# Altium PCB RTM_SFP.PcbDoc (part 9 of 17)
Units mil, origin at the board's own origin, x right, y up, seen from the top; angles counter-clockwise.
Board outline 7185 x 5846.5 mil, 4 copper layers (Top Layer, MidPlane_1, MidPlane_2, Bottom Layer), stack 63.553 mil thick; 389 components, 333 nets, 1578 pads, 1486 vias.
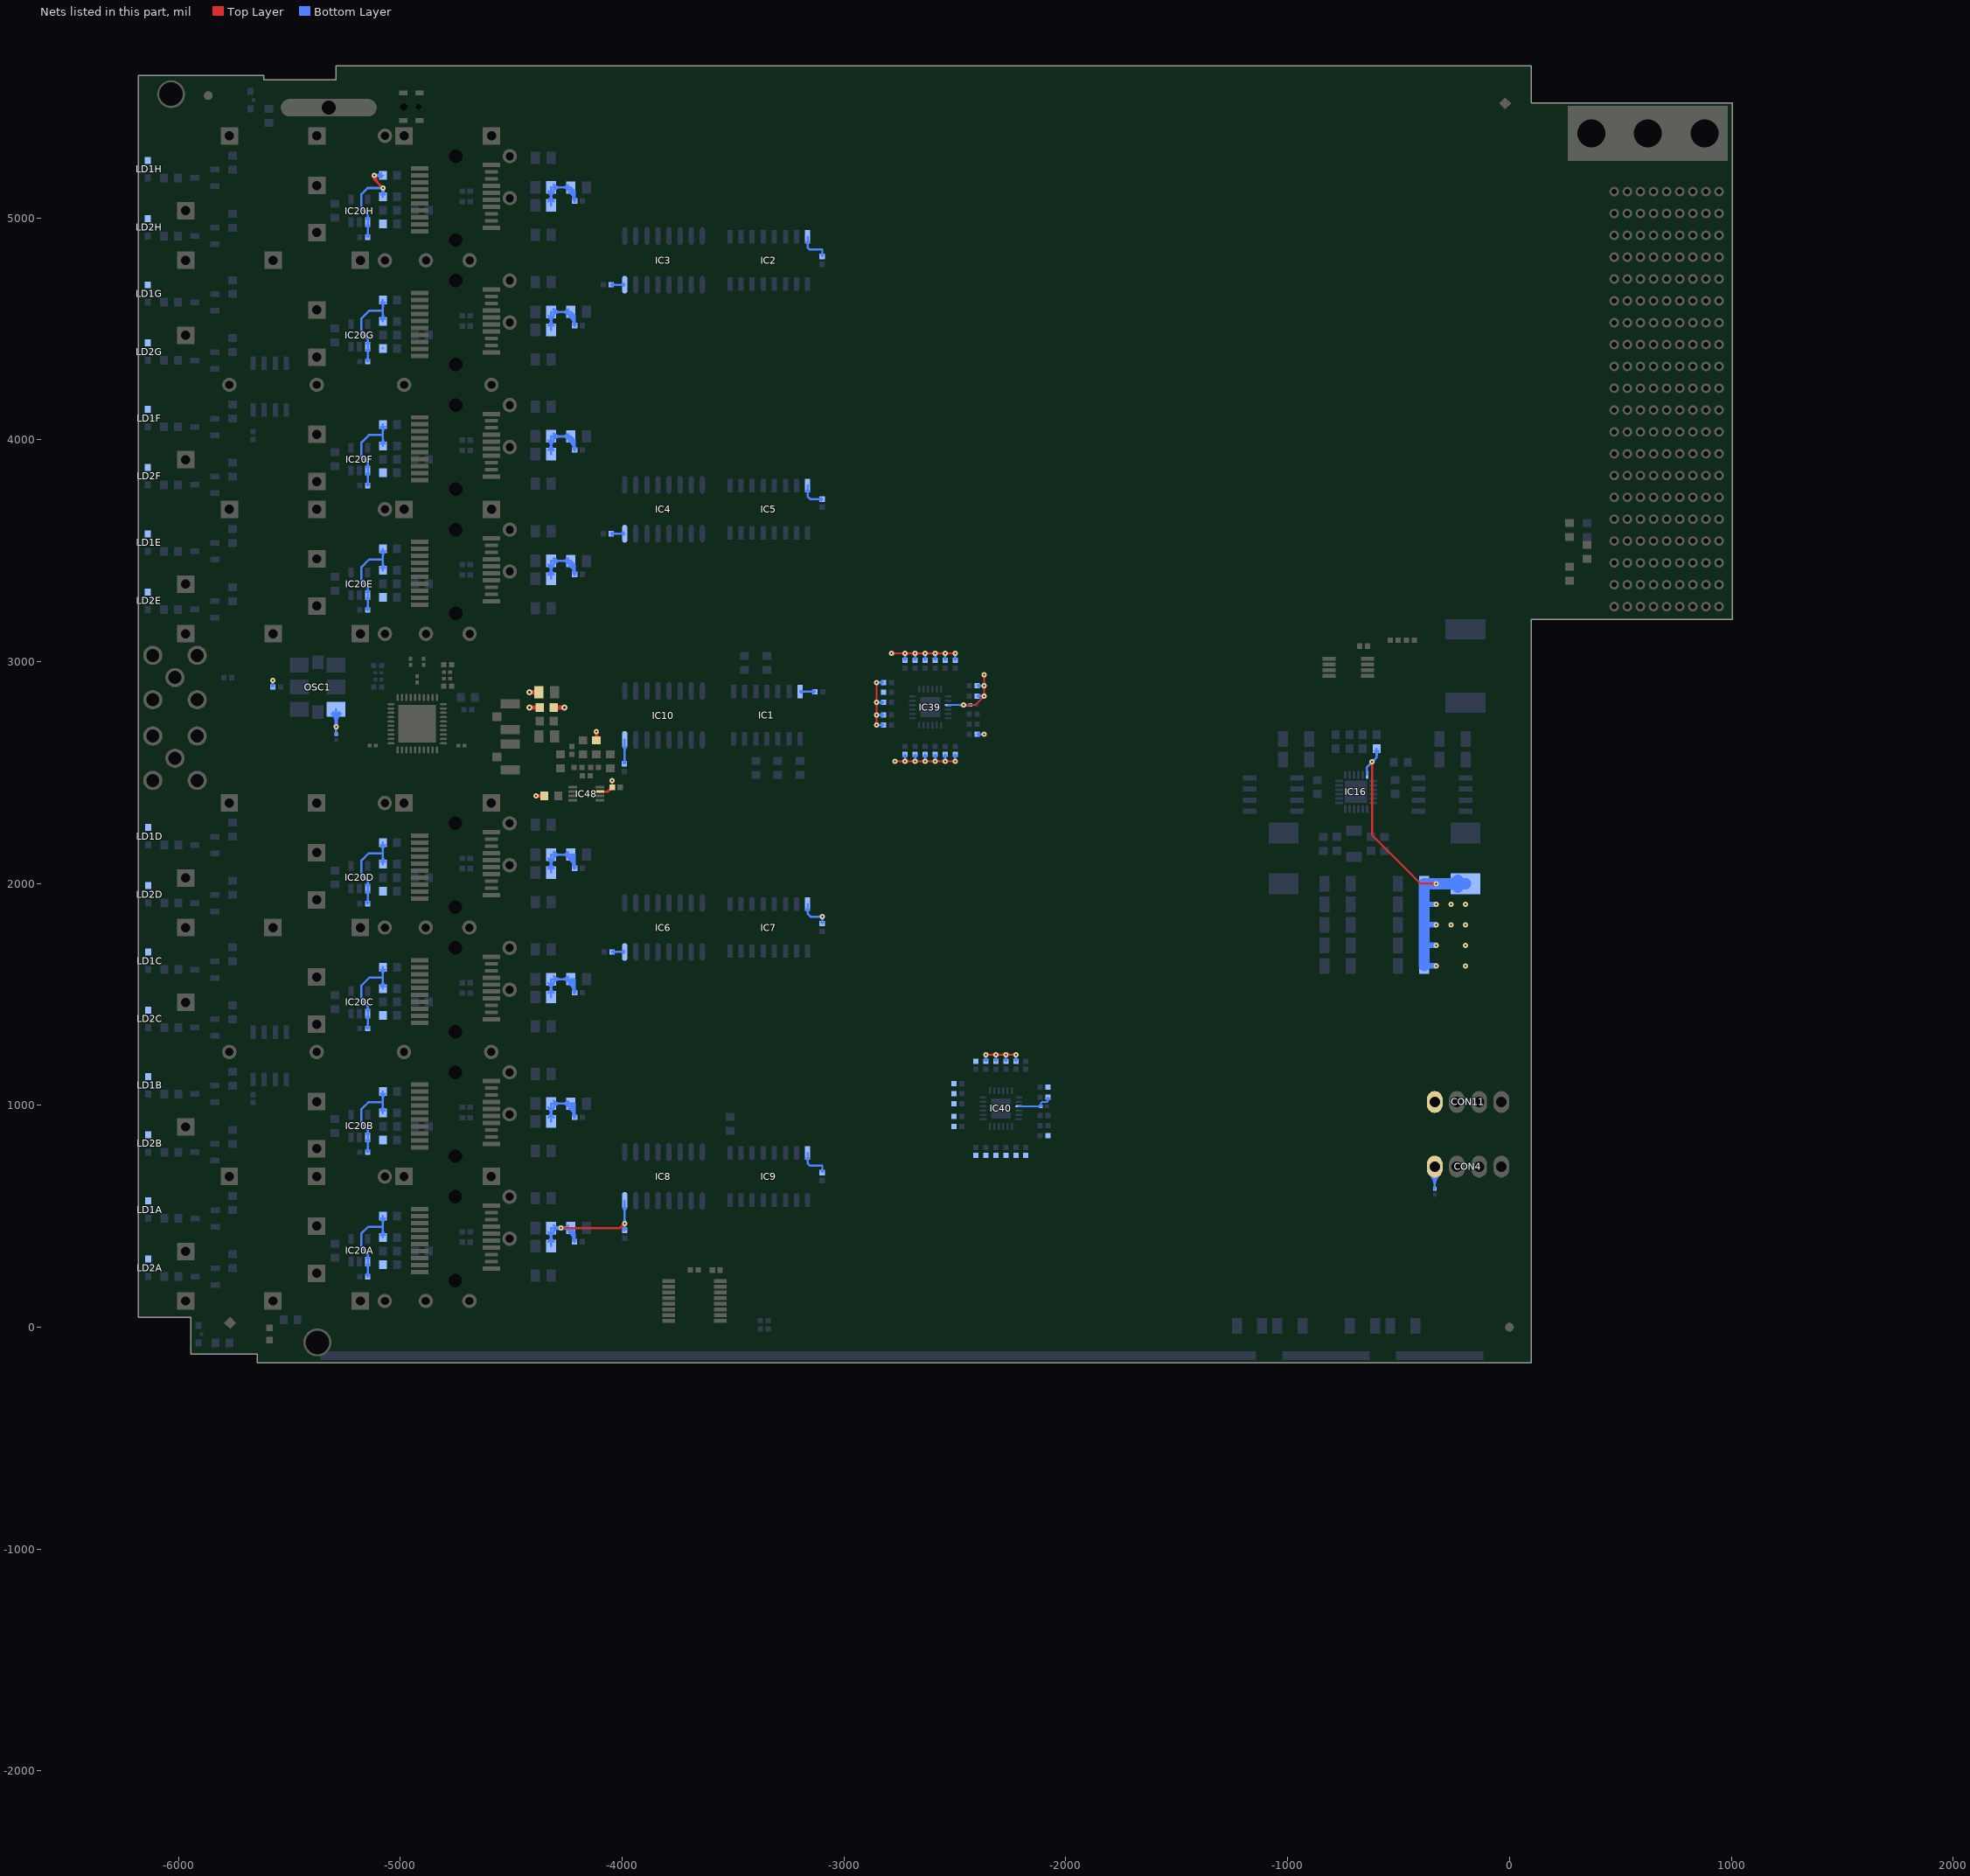
[diagram p11: the nets of this part, all layers, seen from the top]

## Via types
v1: diameter 23.62, hole 7.87, Top Layer to Bottom Layer, tented both sides, 1401 vias
v2: diameter 27.56, hole 11.81, Top Layer to Bottom Layer, tented both sides, 59 vias
v3: diameter 25.98, hole 12.99, Top Layer to Bottom Layer, tented top, 24 vias
v4: diameter 23.62, hole 11.81, Top Layer to Bottom Layer, tented both sides, 2 vias

## Nets (pads, with @x,y where several pads share a name; then routed paths per layer and width w, separated by ;. In a path a pad name is that pad's centre, name@x,y a point inside that pad or via, vN(x,y) a via of type N, cw(c..) or ccw(c..) an arc to the next point about the centre after c; other vN are vias at no path point) (continued)
P3V3: C1.1 C2.1 C3.1 C4.1 C6.1 C7.1 C8.1 C13A.1 C13B.1 C13C.1 C13D.1 C13E.1 C13F.1 C13G.1 C13H.1 C15.2 C17.1 C20.1 C22.1 C23.1 C186A.1 C186B.1 C186C.1 C186D.1 C186E.1 C186F.1 C186G.1 C186H.1 C202A.2 C202B.2 C202C.2 C202D.2 C202E.2 C202F.2 C202G.2 C202H.2 C208.2 C209.2 C210.2 C213.2 C402.2 C403.2 C404.2 CON4.4 CON11.4 IC1.14 IC2.16 IC3.16 IC4.16 IC5.16 IC6.16 IC7.16 IC8.16 IC9.16 IC10.16 IC16.6 IC20A.1 IC20B.1 IC20C.1 IC20D.1 IC20E.1 IC20F.1 IC20G.1 IC20H.1 IC39.21 IC40.21 IC48.7 L1.2 L5A.1 L5B.1 L5C.1 L5D.1 L5E.1 L5F.1 L5G.1 L5H.1 L11A.1 L11B.1 L11C.1 L11D.1 L11E.1 L11F.1 L11G.1 L11H.1 L19.1 LD1A.2 LD1B.2 LD1C.2 LD1D.2 LD1E.2 LD1F.2 LD1G.2 LD1H.2 LD2A.2 LD2B.2 LD2C.2 LD2D.2 LD2E.2 LD2F.2 LD2G.2 LD2H.2 R25.1 R27.2 R28.2 R29.2 R53.2 R316.2 R317.2 R318.2 R319.2 R320.2 R321.2 R322.2 R323.2 R324.2 R325.2 R328.1 R329.2 R330.2 R331.2 R332.2 R333.2 R334.2 R335.2 R336.2 R337.2 R338.2 R339.2 R340.2 R341.2 R342.2 R343.2 R344.2 R345.2 R346.2 R350.2 R351.2 R352.2 R353.2 R354.2 R355.2 R356.2 R357.2 R400A.2 R400B.2 R400C.2 R400D.2 R400E.2 R400F.2 R400G.2 R400H.2 R403A.2 R403B.2 R403C.2 R403D.2 R403E.2 R403F.2 R403G.2 R403H.2 R404A.2 R404B.2 R404C.2 R404D.2 R404E.2 R404F.2 R404G.2 R404H.2 | length 23126
  Top Layer w7.99: C17.1@-4050.69,2439.27 ccw(c-4064.7,2453.28) -4044.88,2453.28 ccw(c-4025.06,2453.28) C17.1@-4039.08,2439.27 ; v1@-4049.63,2457.97 cw(c-4055.34,2450.52) -4046.27,2448.09 ; C17.1@-4049.51,2440.25 ccw(c-4054.38,2447.38) -4046.04,2449.61 ; C17.1@-4048.99,2440.57 ccw(c-4053.66,2448.67) -4044.63,2446.25 ; v1@-4048.79,2457.41 cw(c-4053.41,2449.4) -4044.48,2451.79 ; -4045.28,2451.79 cw(c-4036.35,2449.4) v1@-4040.97,2457.41 ; -4045.14,2446.25 ccw(c-4036.1,2448.67) C17.1@-4040.78,2440.57 ; C17.1@-4044.88,2433.46 v1(-4044.88,2464.17) ; -4043.73,2449.61 ccw(c-4035.39,2447.38) C17.1@-4040.25,2440.25 ; -4043.49,2448.09 cw(c-4034.43,2450.52) v1@-4040.13,2457.97 ; v1(-2853.74,2713.78) v1(-2853.74,2758.86) v1(-2853.74,2815.75) v1(-2853.74,2906.1) ; v1(-2785.83,3036.81) v1(-2724.61,3036.81) v1(-2679.53,3036.81) v1(-2634.25,3036.81) v1(-2588.98,3036.81) v1(-2543.9,3036.81) v1(-2498.82,3036.81) ; v1(-2770.67,2551.18) v1(-2724.61,2551.18) v1(-2679.53,2551.18) v1(-2634.25,2551.18) v1(-2588.98,2551.18) v1(-2543.9,2551.18) v1(-2498.82,2551.18) ; v1(-2461.81,2803.94) -2409.24,2803.94 v1(-2368.11,2845.08) v1(-2368.11,2890.55) v1(-2368.11,2939.96) ; -2378.49,2835.51 cw(c-2365.43,2832.01) v1@-2368.15,2845.25 ; -2377.68,2834.7 ccw(c-2381.18,2847.75) v1@-2367.94,2845.04 ; v1(-2361.08,1228.73) v1(-2315.8,1228.73) v1(-2270.53,1228.73) v1(-2225.45,1228.73) ; C17.1@-4044.88,2445.31 cw(c-4026.01,2445.31) -4039.36,2458.65 ccw(c-4026.01,2445.31) C17.1@-4044.88,2445.31 ; C17.1@-4044.88,2445.31 ccw(c-4063.75,2445.31) -4050.41,2458.65 cw(c-4063.75,2445.31) C17.1@-4044.88,2445.31 ; -2853.74,2732.65 cw(c-2872.61,2732.65) -2859.27,2719.31 ccw(c-2872.61,2732.65) -2853.74,2732.65 ; -2853.74,2732.65 ccw(c-2834.87,2732.65) -2848.21,2719.31 cw(c-2834.87,2732.65) -2853.74,2732.65 ; -2853.74,2739.99 cw(c-2834.87,2739.99) -2848.21,2753.33 ccw(c-2834.87,2739.99) -2853.74,2739.99 ; -2853.74,2739.99 ccw(c-2872.61,2739.99) -2859.27,2753.33 cw(c-2872.61,2739.99) -2853.74,2739.99 ; -2853.74,2777.73 cw(c-2872.61,2777.73) -2859.27,2764.38 ccw(c-2872.61,2777.73) -2853.74,2777.73 ; -2853.74,2777.73 ccw(c-2834.87,2777.73) -2848.21,2764.38 cw(c-2834.87,2777.73) -2853.74,2777.73 ; -2853.74,2796.88 cw(c-2834.87,2796.88) -2848.21,2810.22 ccw(c-2834.87,2796.88) -2853.74,2796.88 ; -2853.74,2796.88 ccw(c-2872.61,2796.88) -2859.27,2810.22 cw(c-2872.61,2796.88) -2853.74,2796.88 ; -2853.74,2834.61 cw(c-2872.61,2834.61) -2859.27,2821.27 ccw(c-2872.61,2834.61) -2853.74,2834.61 ; -2853.74,2834.61 ccw(c-2834.87,2834.61) -2848.21,2821.27 cw(c-2834.87,2834.61) -2853.74,2834.61 ; -2853.74,2887.24 cw(c-2834.87,2887.24) -2848.21,2900.58 ccw(c-2834.87,2887.24) -2853.74,2887.24 ; -2853.74,2887.24 ccw(c-2872.61,2887.24) -2859.27,2900.58 cw(c-2872.61,2887.24) -2853.74,2887.24 ; -2766.96,3036.81 cw(c-2766.96,3055.68) -2780.3,3042.34 ccw(c-2766.96,3055.68) -2766.96,3036.81 ; -2766.96,3036.81 ccw(c-2766.96,3017.94) -2780.3,3031.28 cw(c-2766.96,3017.94) -2766.96,3036.81 ; -2751.8,2551.18 cw(c-2751.8,2570.05) -2765.14,2556.71 ccw(c-2751.8,2570.05) -2751.8,2551.18 ; -2751.8,2551.18 ccw(c-2751.8,2532.31) -2765.14,2545.66 cw(c-2751.8,2532.31) -2751.8,2551.18 ; -2743.47,2551.18 cw(c-2743.47,2532.31) -2730.13,2545.66 ccw(c-2743.47,2532.31) -2743.47,2551.18 ; -2743.47,2551.18 ccw(c-2743.47,2570.05) -2730.13,2556.71 cw(c-2743.47,2570.05) -2743.47,2551.18 ; -2743.47,3036.81 cw(c-2743.47,3017.94) -2730.13,3031.28 ccw(c-2743.47,3017.94) -2743.47,3036.81 ; -2743.47,3036.81 ccw(c-2743.47,3055.68) -2730.13,3042.34 cw(c-2743.47,3055.68) -2743.47,3036.81 ; -2705.74,2551.18 cw(c-2705.74,2570.05) -2719.08,2556.71 ccw(c-2705.74,2570.05) -2705.74,2551.18 ; -2705.74,2551.18 ccw(c-2705.74,2532.31) -2719.08,2545.66 cw(c-2705.74,2532.31) -2705.74,2551.18 ; -2705.74,3036.81 cw(c-2705.74,3055.68) -2719.08,3042.34 ccw(c-2705.74,3055.68) -2705.74,3036.81 ; -2705.74,3036.81 ccw(c-2705.74,3017.94) -2719.08,3031.28 cw(c-2705.74,3017.94) -2705.74,3036.81 ; -2698.39,2551.18 cw(c-2698.39,2532.31) -2685.05,2545.66 ccw(c-2698.39,2532.31) -2698.39,2551.18 ; -2698.39,2551.18 ccw(c-2698.39,2570.05) -2685.05,2556.71 cw(c-2698.39,2570.05) -2698.39,2551.18 ; -2698.39,3036.81 cw(c-2698.39,3017.94) -2685.05,3031.28 ccw(c-2698.39,3017.94) -2698.39,3036.81 ; -2698.39,3036.81 ccw(c-2698.39,3055.68) -2685.05,3042.34 cw(c-2698.39,3055.68) -2698.39,3036.81 ; -2660.66,2551.18 cw(c-2660.66,2570.05) -2674,2556.71 ccw(c-2660.66,2570.05) -2660.66,2551.18 ; -2660.66,2551.18 ccw(c-2660.66,2532.31) -2674,2545.66 cw(c-2660.66,2532.31) -2660.66,2551.18 ; -2660.66,3036.81 cw(c-2660.66,3055.68) -2674,3042.34 ccw(c-2660.66,3055.68) -2660.66,3036.81 ; -2660.66,3036.81 ccw(c-2660.66,3017.94) -2674,3031.28 cw(c-2660.66,3017.94) -2660.66,3036.81 ; -2653.12,2551.18 cw(c-2653.12,2532.31) -2639.78,2545.66 ccw(c-2653.12,2532.31) -2653.12,2551.18 ; -2653.12,2551.18 ccw(c-2653.12,2570.05) -2639.78,2556.71 cw(c-2653.12,2570.05) -2653.12,2551.18 ; -2653.12,3036.81 cw(c-2653.12,3017.94) -2639.78,3031.28 ccw(c-2653.12,3017.94) -2653.12,3036.81 ; -2653.12,3036.81 ccw(c-2653.12,3055.68) -2639.78,3042.34 cw(c-2653.12,3055.68) -2653.12,3036.81 ; -2615.38,2551.18 cw(c-2615.38,2570.05) -2628.73,2556.71 ccw(c-2615.38,2570.05) -2615.38,2551.18 ; -2615.38,2551.18 ccw(c-2615.38,2532.31) -2628.73,2545.66 cw(c-2615.38,2532.31) -2615.38,2551.18 ; -2615.38,3036.81 cw(c-2615.38,3055.68) -2628.73,3042.34 ccw(c-2615.38,3055.68) -2615.38,3036.81 ; -2615.38,3036.81 ccw(c-2615.38,3017.94) -2628.73,3031.28 cw(c-2615.38,3017.94) -2615.38,3036.81 ; -2607.84,2551.18 cw(c-2607.84,2532.31) -2594.5,2545.66 ccw(c-2607.84,2532.31) -2607.84,2551.18 ; -2607.84,2551.18 ccw(c-2607.84,2570.05) -2594.5,2556.71 cw(c-2607.84,2570.05) -2607.84,2551.18 ; -2607.84,3036.81 cw(c-2607.84,3017.94) -2594.5,3031.28 ccw(c-2607.84,3017.94) -2607.84,3036.81 ; -2607.84,3036.81 ccw(c-2607.84,3055.68) -2594.5,3042.34 cw(c-2607.84,3055.68) -2607.84,3036.81 ; -2570.11,2551.18 cw(c-2570.11,2570.05) -2583.45,2556.71 ccw(c-2570.11,2570.05) -2570.11,2551.18 ; -2570.11,2551.18 ccw(c-2570.11,2532.31) -2583.45,2545.66 cw(c-2570.11,2532.31) -2570.11,2551.18 ; -2570.11,3036.81 cw(c-2570.11,3055.68) -2583.45,3042.34 ccw(c-2570.11,3055.68) -2570.11,3036.81 ; -2570.11,3036.81 ccw(c-2570.11,3017.94) -2583.45,3031.28 cw(c-2570.11,3017.94) -2570.11,3036.81 ; -2562.76,2551.18 cw(c-2562.76,2532.31) -2549.42,2545.66 ccw(c-2562.76,2532.31) -2562.76,2551.18 ; -2562.76,2551.18 ccw(c-2562.76,2570.05) -2549.42,2556.71 cw(c-2562.76,2570.05) -2562.76,2551.18 ; -2562.76,3036.81 cw(c-2562.76,3017.94) -2549.42,3031.28 ccw(c-2562.76,3017.94) -2562.76,3036.81 ; -2562.76,3036.81 ccw(c-2562.76,3055.68) -2549.42,3042.34 cw(c-2562.76,3055.68) -2562.76,3036.81 ; -2525.03,2551.18 cw(c-2525.03,2570.05) -2538.37,2556.71 ccw(c-2525.03,2570.05) -2525.03,2551.18 ; -2525.03,2551.18 ccw(c-2525.03,2532.31) -2538.37,2545.66 cw(c-2525.03,2532.31) -2525.03,2551.18 ; -2525.03,3036.81 cw(c-2525.03,3055.68) -2538.37,3042.34 ccw(c-2525.03,3055.68) -2525.03,3036.81 ; -2525.03,3036.81 ccw(c-2525.03,3017.94) -2538.37,3031.28 cw(c-2525.03,3017.94) -2525.03,3036.81 ; -2517.69,2551.18 cw(c-2517.69,2532.31) -2504.35,2545.66 ccw(c-2517.69,2532.31) -2517.69,2551.18 ; -2517.69,2551.18 ccw(c-2517.69,2570.05) -2504.35,2556.71 cw(c-2517.69,2570.05) -2517.69,2551.18 ; -2517.69,3036.81 cw(c-2517.69,3017.94) -2504.35,3031.28 ccw(c-2517.69,3017.94) -2517.69,3036.81 ; -2517.69,3036.81 ccw(c-2517.69,3055.68) -2504.35,3042.34 cw(c-2517.69,3055.68) -2517.69,3036.81 ; -2442.94,2803.94 cw(c-2442.94,2822.81) -2456.28,2809.47 ccw(c-2442.94,2822.81) -2442.94,2803.94 ; -2442.94,2803.94 ccw(c-2442.94,2785.08) -2456.28,2798.42 cw(c-2442.94,2785.08) -2442.94,2803.94 ; -2381.45,2831.74 cw(c-2368.11,2818.4) -2368.11,2837.26 ccw(c-2368.11,2818.4) -2381.45,2831.74 ; -2381.45,2831.74 ccw(c-2394.79,2845.08) -2375.93,2845.08 cw(c-2394.79,2845.08) -2381.45,2831.74 ; -2368.11,2863.95 cw(c-2386.98,2863.95) -2373.64,2850.6 ccw(c-2386.98,2863.95) -2368.11,2863.95 ; -2368.11,2863.95 ccw(c-2349.24,2863.95) -2362.58,2850.6 cw(c-2349.24,2863.95) -2368.11,2863.95 ; -2368.11,2871.68 cw(c-2349.24,2871.68) -2362.58,2885.03 ccw(c-2349.24,2871.68) -2368.11,2871.68 ; -2368.11,2871.68 ccw(c-2386.98,2871.68) -2373.64,2885.03 cw(c-2386.98,2871.68) -2368.11,2871.68 ; -2368.11,2909.42 cw(c-2386.98,2909.42) -2373.64,2896.08 ccw(c-2386.98,2909.42) -2368.11,2909.42 ; -2368.11,2909.42 ccw(c-2349.24,2909.42) -2362.58,2896.08 cw(c-2349.24,2909.42) -2368.11,2909.42 ; -2368.11,2921.09 cw(c-2349.24,2921.09) -2362.58,2934.43 ccw(c-2349.24,2921.09) -2368.11,2921.09 ; -2368.11,2921.09 ccw(c-2386.98,2921.09) -2373.64,2934.43 cw(c-2386.98,2921.09) -2368.11,2921.09 ; -2342.21,1228.73 cw(c-2342.21,1247.6) -2355.55,1234.26 ccw(c-2342.21,1247.6) -2342.21,1228.73 ; -2342.21,1228.73 ccw(c-2342.21,1209.86) -2355.55,1223.21 cw(c-2342.21,1209.86) -2342.21,1228.73 ; -2334.67,1228.73 cw(c-2334.67,1209.86) -2321.33,1223.21 ccw(c-2334.67,1209.86) -2334.67,1228.73 ; -2334.67,1228.73 ccw(c-2334.67,1247.6) -2321.33,1234.26 cw(c-2334.67,1247.6) -2334.67,1228.73 ; -2296.94,1228.73 cw(c-2296.94,1247.6) -2310.28,1234.26 ccw(c-2296.94,1247.6) -2296.94,1228.73 ; -2296.94,1228.73 ccw(c-2296.94,1209.86) -2310.28,1223.21 cw(c-2296.94,1209.86) -2296.94,1228.73 ; -2289.39,1228.73 cw(c-2289.39,1209.86) -2276.05,1223.21 ccw(c-2289.39,1209.86) -2289.39,1228.73 ; -2289.39,1228.73 ccw(c-2289.39,1247.6) -2276.05,1234.26 cw(c-2289.39,1247.6) -2289.39,1228.73 ; -2251.66,1228.73 cw(c-2251.66,1247.6) -2265,1234.26 ccw(c-2251.66,1247.6) -2251.66,1228.73 ; -2251.66,1228.73 ccw(c-2251.66,1209.86) -2265,1223.21 cw(c-2251.66,1209.86) -2251.66,1228.73 ; -2244.32,1228.73 cw(c-2244.32,1209.86) -2230.98,1223.21 ccw(c-2244.32,1209.86) -2244.32,1228.73 ; -2244.32,1228.73 ccw(c-2244.32,1247.6) -2230.98,1234.26 cw(c-2244.32,1247.6) -2244.32,1228.73
  Top Layer w10: v1@-5122.11,5185.05 cw(c-5141.56,5151.35) -5103.98,5161.42 ; v1(-5118.7,5190.94) -5118.7,5174.41 v1(-5078.74,5134.45) ; v1@-4390.16,2394.09 R27.2@-4350.39,2394.09 ; v1@-4385.29,2388.37 cw(c-4374.37,2371.44) -4369.16,2390.9 ; v1@-4385.29,2399.82 ccw(c-4374.37,2416.75) -4369.16,2397.29 ; R27.2@-4359.39,2385.1 ccw(c-4381.09,2363.39) -4381.09,2394.09 ccw(c-4381.09,2424.79) R27.2@-4359.39,2403.09 ; v1(-4276.74,446.84) -4009.46,446.84 v1(-3988.98,467.32) ; R25.1@-4124.74,2653.87 ccw(c-4146.45,2675.58) -4115.75,2675.58 ccw(c-4085.05,2675.58) R25.1@-4106.76,2653.87 ; v1@-4121.46,2680.94 cw(c-4139,2669.57) -4118.81,2664.16 ; R25.1@-4115.75,2644.88 v1(-4115.75,2684.65) ; -4112.69,2664.16 cw(c-4092.5,2669.57) v1@-4110.03,2680.94 ; IC48.7@-4100.39,2413.78 -4064.57,2413.78 C17.1@-4044.88,2433.46 ; C17.1@-4052.09,2433.46 cw(c-4069.48,2433.46) -4057.18,2421.17 cw(c-4044.88,2408.87) C17.1@-4044.88,2426.26 ; v1(-619.29,2547.64) -619.29,2217.72 -400.39,1998.82 v1(-331.1,1998.82) ; -5118.7,5174.5 cw(c-5102.26,5174.5) -5113.88,5186.13 ccw(c-5102.26,5174.5) -5118.7,5174.5 ; -5118.7,5174.5 ccw(c-5135.14,5174.5) -5123.52,5186.13 cw(c-5135.14,5174.5) -5118.7,5174.5 ; -5090.37,5146.07 cw(c-5101.99,5134.45) -5085.55,5134.45 ccw(c-5101.99,5134.45) -5090.37,5146.07 ; -5090.37,5146.07 ccw(c-5078.74,5157.7) -5078.74,5141.26 cw(c-5078.74,5157.7) -5090.37,5146.07 ; -4372.53,2394.09 cw(c-4372.53,2410.54) -4384.16,2398.91 ccw(c-4372.53,2410.54) -4372.53,2394.09 ; -4372.53,2394.09 ccw(c-4372.53,2377.65) -4384.16,2389.28 cw(c-4372.53,2377.65) -4372.53,2394.09 ; -4260.3,446.84 cw(c-4260.3,463.29) -4271.92,451.66 ccw(c-4260.3,463.29) -4260.3,446.84 ; -4260.3,446.84 ccw(c-4260.3,430.4) -4271.92,442.03 cw(c-4260.3,430.4) -4260.3,446.84 ; -4115.75,2668.2 cw(c-4099.3,2668.2) -4110.93,2679.83 ccw(c-4099.3,2668.2) -4115.75,2668.2 ; -4115.75,2668.2 ccw(c-4132.19,2668.2) -4120.56,2679.83 cw(c-4132.19,2668.2) -4115.75,2668.2 ; -4000.6,455.7 cw(c-3988.98,444.07) -3988.98,460.51 ccw(c-3988.98,444.07) -4000.6,455.7 ; -4000.6,455.7 ccw(c-4012.23,467.32) -3995.79,467.32 cw(c-4012.23,467.32) -4000.6,455.7 ; -619.29,2531.19 cw(c-602.85,2531.19) -614.48,2542.82 ccw(c-602.85,2531.19) -619.29,2531.19 ; -619.29,2531.19 ccw(c-635.73,2531.19) -624.11,2542.82 cw(c-635.73,2531.19) -619.29,2531.19 ; -347.55,1998.82 cw(c-347.55,1982.38) -335.92,1994 ccw(c-347.55,1982.38) -347.55,1998.82 ; -347.55,1998.82 ccw(c-347.55,2015.26) -335.92,2003.63 cw(c-347.55,2015.26) -347.55,1998.82 ; v1@-5121.89,5190.94 ccw(c-5089.66,5190.94) -5112.45,5168.16 cw(c-5089.66,5190.94) v1@-5121.89,5190.94 ; v1@-5111.89,5190.94 ccw(c-5055.52,5190.94) -5095.38,5151.08 cw(c-5055.52,5190.94) v1@-5111.89,5190.94
  Top Layer w19.68: L19.1@-4308.27,2792.52 v2(-4261.02,2792.52) ; L19.1@-4302,2786.26 cw(c-4286.88,2771.13) -4286.88,2792.52 cw(c-4286.88,2813.91) L19.1@-4302,2798.78
  Bottom Layer w7.99: C3.1@-3104.23,702.9 ccw(c-3118.24,716.91) -3098.43,716.91 ccw(c-3078.61,716.91) C3.1@-3092.62,702.9 ; C4.1@-3104.23,1824.95 ccw(c-3118.24,1838.96) -3098.43,1838.96 ccw(c-3078.61,1838.96) C4.1@-3092.62,1824.95 ; C8.1@-3104.23,4832.04 ccw(c-3118.24,4846.05) -3098.43,4846.05 ccw(c-3078.61,4846.05) C8.1@-3092.62,4832.04 ; v1@-3103.19,1844.05 cw(c-3109.07,1836.43) -3099.77,1833.94 ; v1@-3102.33,1843.48 cw(c-3106.78,1835.77) -3098.19,1838.08 ; -3098.66,1838.08 cw(c-3090.07,1835.77) v1@-3094.52,1843.48 ; C3.1@-3098.43,697.09 -3098.43,728.2 ; C4.1@-3098.43,1819.14 v1(-3098.43,1850.24) ; C8.1@-3098.43,4826.24 -3098.43,4857.34 ; -3097.08,1833.94 cw(c-3087.78,1836.43) v1@-3093.66,1844.05 ; v1(-2853.74,2713.78) R322.2@-2822.64,2713.78 ; v1(-2853.74,2758.86) R323.2@-2822.64,2758.86 ; v1(-2853.74,2815.75) R329.2@-2822.64,2815.75 ; v1(-2853.74,2906.1) R331.2@-2822.64,2906.1 ; R322.2@-2828.16,2708.25 ccw(c-2841.51,2694.91) -2841.51,2713.78 ccw(c-2841.51,2732.65) R322.2@-2828.16,2719.31 ; R323.2@-2828.16,2753.33 ccw(c-2841.51,2739.99) -2841.51,2758.86 ccw(c-2841.51,2777.73) R323.2@-2828.16,2764.38 ; R329.2@-2828.16,2810.22 ccw(c-2841.51,2796.88) -2841.51,2815.75 ccw(c-2841.51,2834.61) R329.2@-2828.16,2821.27 ; R331.2@-2828.16,2900.58 ccw(c-2841.51,2887.24) -2841.51,2906.1 ccw(c-2841.51,2924.97) R331.2@-2828.16,2911.63 ; R321.2@-2730.13,2576.76 cw(c-2743.47,2563.42) -2724.61,2563.42 cw(c-2705.74,2563.42) R321.2@-2719.08,2576.76 ; R332.2@-2730.13,3011.23 ccw(c-2743.47,3024.58) -2724.61,3024.58 ccw(c-2705.74,3024.58) R332.2@-2719.08,3011.23 ; v1(-2724.61,2551.18) R321.2@-2724.61,2582.28 ; R332.2@-2724.61,3005.71 v1(-2724.61,3036.81) ; R320.2@-2685.05,2576.76 cw(c-2698.39,2563.42) -2679.53,2563.42 cw(c-2660.66,2563.42) R320.2@-2674,2576.76 ; R333.2@-2685.05,3011.23 ccw(c-2698.39,3024.58) -2679.53,3024.58 ccw(c-2660.66,3024.58) R333.2@-2674,3011.23 ; v1(-2679.53,2551.18) R320.2@-2679.53,2582.28 ; R333.2@-2679.53,3005.71 v1(-2679.53,3036.81) ; R319.2@-2639.78,2576.76 cw(c-2653.12,2563.42) -2634.25,2563.42 cw(c-2615.38,2563.42) R319.2@-2628.73,2576.76 ; R334.2@-2639.78,3011.23 ccw(c-2653.12,3024.58) -2634.25,3024.58 ccw(c-2615.38,3024.58) R334.2@-2628.73,3011.23 ; v1(-2634.25,2551.18) R319.2@-2634.25,2582.28 ; R334.2@-2634.25,3005.71 v1(-2634.25,3036.81) ; R318.2@-2594.5,2576.76 cw(c-2607.84,2563.42) -2588.98,2563.42 cw(c-2570.11,2563.42) R318.2@-2583.45,2576.76 ; R335.2@-2594.5,3011.23 ccw(c-2607.84,3024.58) -2588.98,3024.58 ccw(c-2570.11,3024.58) R335.2@-2583.45,3011.23 ; v1(-2588.98,2551.18) R318.2@-2588.98,2582.28 ; R335.2@-2588.98,3005.71 v1(-2588.98,3036.81) ; R317.2@-2549.42,2576.76 cw(c-2562.76,2563.42) -2543.9,2563.42 cw(c-2525.03,2563.42) R317.2@-2538.37,2576.76 ; R336.2@-2549.42,3011.23 ccw(c-2562.76,3024.58) -2543.9,3024.58 ccw(c-2525.03,3024.58) R336.2@-2538.37,3011.23 ; v1(-2543.9,2551.18) R317.2@-2543.9,2582.28 ; R336.2@-2543.9,3005.71 v1(-2543.9,3036.81) ; IC39.21@-2530.26,2803.94 v1(-2461.81,2803.94) C404.2@-2430.71,2803.94 ; R316.2@-2504.35,2576.76 cw(c-2517.69,2563.42) -2498.82,2563.42 cw(c-2479.95,2563.42) R316.2@-2493.29,2576.76 ; R328.1@-2504.35,3011.23 ccw(c-2517.69,3024.58) -2498.82,3024.58 ccw(c-2479.95,3024.58) R328.1@-2493.29,3011.23 ; v1(-2498.82,2551.18) R316.2@-2498.82,2582.28 ; R328.1@-2498.82,3005.71 v1(-2498.82,3036.81) ; C404.2@-2434.44,2801.2 ccw(c-2441.06,2794.58) -2441.06,2803.94 ccw(c-2441.06,2813.31) C404.2@-2434.44,2806.69 ; R28.2@-2399.21,2672.44 v1(-2368.11,2672.44) ; R324.2@-2399.21,2845.08 v1(-2368.11,2845.08) ; R325.2@-2399.21,2890.55 v1(-2368.11,2890.55) ; R28.2@-2393.69,2666.91 cw(c-2380.35,2653.57) -2380.35,2672.44 cw(c-2380.35,2691.31) R28.2@-2393.69,2677.97 ; R324.2@-2393.69,2839.55 cw(c-2380.35,2826.21) -2380.35,2845.08 cw(c-2380.35,2863.95) R324.2@-2393.69,2850.6 ; R325.2@-2393.69,2885.03 cw(c-2380.35,2871.68) -2380.35,2890.55 cw(c-2380.35,2909.42) R325.2@-2393.69,2896.08 ; R354.2@-2366.6,1203.16 ccw(c-2379.95,1216.5) -2361.08,1216.5 ccw(c-2342.21,1216.5) R354.2@-2355.55,1203.16 ; R354.2@-2361.08,1197.63 v1(-2361.08,1228.73) ; R355.2@-2321.33,1203.16 ccw(c-2334.67,1216.5) -2315.8,1216.5 ccw(c-2296.94,1216.5) R355.2@-2310.28,1203.16 ; R355.2@-2315.8,1197.63 v1(-2315.8,1228.73) ; R356.2@-2276.05,1203.16 ccw(c-2289.39,1216.5) -2270.53,1216.5 ccw(c-2251.66,1216.5) R356.2@-2265,1203.16 ; R356.2@-2270.53,1197.63 v1(-2270.53,1228.73) ; R357.2@-2230.98,1203.16 ccw(c-2244.32,1216.5) -2225.45,1216.5 ccw(c-2206.58,1216.5) R357.2@-2219.92,1203.16 ; R357.2@-2225.45,1197.63 v1(-2225.45,1228.73) ; IC40.21@-2211.81,995.67 C402.2@-2112.26,995.67 -2112.26,1009.79 -2107.05,1015 -2085.4,1015 -2080.76,1019.63 ; C402.2@-2115.99,992.93 ccw(c-2122.61,986.31) -2122.61,995.67 ccw(c-2122.61,1005.03) C402.2@-2115.99,998.41 ; C402.2@-2115,998.41 ccw(c-2121.62,1005.03) -2112.26,1005.03 ccw(c-2102.9,1005.03) C402.2@-2109.52,998.41 ; R345.2@-2085.9,1030.91 cw(c-2095.72,1019.63) -2080.76,1019.63 ; R345.2@-2080.76,1036.8 -2080.76,1019.63 ; R345.2@-2075.63,1030.91 ccw(c-2065.8,1019.63) -2080.76,1019.63 ; -3098.43,1831.38 cw(c-3079.56,1831.38) -3092.9,1844.72 ccw(c-3079.56,1831.38) -3098.43,1831.38 ; -3098.43,1831.38 ccw(c-3117.29,1831.38) -3103.95,1844.72 cw(c-3117.29,1831.38) -3098.43,1831.38 ; -2834.87,2713.78 cw(c-2834.87,2732.65) -2848.21,2719.31 ccw(c-2834.87,2732.65) -2834.87,2713.78 ; -2834.87,2713.78 ccw(c-2834.87,2694.91) -2848.21,2708.25 cw(c-2834.87,2694.91) -2834.87,2713.78 ; -2834.87,2758.86 cw(c-2834.87,2777.73) -2848.21,2764.38 ccw(c-2834.87,2777.73) -2834.87,2758.86 ; -2834.87,2758.86 ccw(c-2834.87,2739.99) -2848.21,2753.33 cw(c-2834.87,2739.99) -2834.87,2758.86 ; -2834.87,2815.75 cw(c-2834.87,2834.61) -2848.21,2821.27 ccw(c-2834.87,2834.61) -2834.87,2815.75 ; -2834.87,2815.75 ccw(c-2834.87,2796.88) -2848.21,2810.22 cw(c-2834.87,2796.88) -2834.87,2815.75 ; -2834.87,2906.1 cw(c-2834.87,2924.97) -2848.21,2911.63 ccw(c-2834.87,2924.97) -2834.87,2906.1 ; -2834.87,2906.1 ccw(c-2834.87,2887.24) -2848.21,2900.58 cw(c-2834.87,2887.24) -2834.87,2906.1 ; -2724.61,2570.05 cw(c-2743.47,2570.05) -2730.13,2556.71 ccw(c-2743.47,2570.05) -2724.61,2570.05 ; -2724.61,2570.05 ccw(c-2705.74,2570.05) -2719.08,2556.71 cw(c-2705.74,2570.05) -2724.61,2570.05 ; -2724.61,3017.94 cw(c-2705.74,3017.94) -2719.08,3031.28 ccw(c-2705.74,3017.94) -2724.61,3017.94 ; -2724.61,3017.94 ccw(c-2743.47,3017.94) -2730.13,3031.28 cw(c-2743.47,3017.94) -2724.61,3017.94 ; -2679.53,2570.05 cw(c-2698.39,2570.05) -2685.05,2556.71 ccw(c-2698.39,2570.05) -2679.53,2570.05 ; -2679.53,2570.05 ccw(c-2660.66,2570.05) -2674,2556.71 cw(c-2660.66,2570.05) -2679.53,2570.05 ; -2679.53,3017.94 cw(c-2660.66,3017.94) -2674,3031.28 ccw(c-2660.66,3017.94) -2679.53,3017.94 ; -2679.53,3017.94 ccw(c-2698.39,3017.94) -2685.05,3031.28 cw(c-2698.39,3017.94) -2679.53,3017.94 ; -2634.25,2570.05 cw(c-2653.12,2570.05) -2639.78,2556.71 ccw(c-2653.12,2570.05) -2634.25,2570.05 ; -2634.25,2570.05 ccw(c-2615.38,2570.05) -2628.73,2556.71 cw(c-2615.38,2570.05) -2634.25,2570.05 ; -2634.25,3017.94 cw(c-2615.38,3017.94) -2628.73,3031.28 ccw(c-2615.38,3017.94) -2634.25,3017.94 ; -2634.25,3017.94 ccw(c-2653.12,3017.94) -2639.78,3031.28 cw(c-2653.12,3017.94) -2634.25,3017.94 ; -2588.98,2570.05 cw(c-2607.84,2570.05) -2594.5,2556.71 ccw(c-2607.84,2570.05) -2588.98,2570.05 ; -2588.98,2570.05 ccw(c-2570.11,2570.05) -2583.45,2556.71 cw(c-2570.11,2570.05) -2588.98,2570.05 ; -2588.98,3017.94 cw(c-2570.11,3017.94) -2583.45,3031.28 ccw(c-2570.11,3017.94) -2588.98,3017.94 ; -2588.98,3017.94 ccw(c-2607.84,3017.94) -2594.5,3031.28 cw(c-2607.84,3017.94) -2588.98,3017.94 ; -2543.9,2570.05 cw(c-2562.76,2570.05) -2549.42,2556.71 ccw(c-2562.76,2570.05) -2543.9,2570.05 ; -2543.9,2570.05 ccw(c-2525.03,2570.05) -2538.37,2556.71 cw(c-2525.03,2570.05) -2543.9,2570.05 ; -2543.9,3017.94 cw(c-2525.03,3017.94) -2538.37,3031.28 ccw(c-2525.03,3017.94) -2543.9,3017.94 ; -2543.9,3017.94 ccw(c-2562.76,3017.94) -2549.42,3031.28 cw(c-2562.76,3017.94) -2543.9,3017.94 ; -2498.82,2570.05 cw(c-2517.69,2570.05) -2504.35,2556.71 ccw(c-2517.69,2570.05) -2498.82,2570.05 ; -2498.82,2570.05 ccw(c-2479.95,2570.05) -2493.29,2556.71 cw(c-2479.95,2570.05) -2498.82,2570.05 ; -2498.82,3017.94 cw(c-2479.95,3017.94) -2493.29,3031.28 ccw(c-2479.95,3017.94) -2498.82,3017.94 ; -2498.82,3017.94 ccw(c-2517.69,3017.94) -2504.35,3031.28 cw(c-2517.69,3017.94) -2498.82,3017.94 ; -2480.68,2803.94 cw(c-2480.68,2785.08) -2467.34,2798.42 ccw(c-2480.68,2785.08) -2480.68,2803.94 ; -2480.68,2803.94 ccw(c-2480.68,2822.81) -2467.34,2809.47 cw(c-2480.68,2822.81) -2480.68,2803.94 ; -2442.94,2803.94 cw(c-2442.94,2822.81) -2456.28,2809.47 ccw(c-2442.94,2822.81) -2442.94,2803.94 ; -2442.94,2803.94 ccw(c-2442.94,2785.08) -2456.28,2798.42 cw(c-2442.94,2785.08) -2442.94,2803.94 ; -2386.98,2672.44 cw(c-2386.98,2653.57) -2373.64,2666.91 ccw(c-2386.98,2653.57) -2386.98,2672.44 ; -2386.98,2672.44 ccw(c-2386.98,2691.31) -2373.64,2677.97 cw(c-2386.98,2691.31) -2386.98,2672.44 ; -2386.98,2845.08 cw(c-2386.98,2826.21) -2373.64,2839.55 ccw(c-2386.98,2826.21) -2386.98,2845.08 ; -2386.98,2845.08 ccw(c-2386.98,2863.95) -2373.64,2850.6 cw(c-2386.98,2863.95) -2386.98,2845.08 ; -2386.98,2890.55 cw(c-2386.98,2871.68) -2373.64,2885.03 ccw(c-2386.98,2871.68) -2386.98,2890.55 ; -2386.98,2890.55 ccw(c-2386.98,2909.42) -2373.64,2896.08 cw(c-2386.98,2909.42) -2386.98,2890.55 ; -2361.08,1209.86 cw(c-2342.21,1209.86) -2355.55,1223.21 ccw(c-2342.21,1209.86) -2361.08,1209.86 ; -2361.08,1209.86 ccw(c-2379.95,1209.86) -2366.6,1223.21 cw(c-2379.95,1209.86) -2361.08,1209.86 ; -2315.8,1209.86 cw(c-2296.94,1209.86) -2310.28,1223.21 ccw(c-2296.94,1209.86) -2315.8,1209.86 ; -2315.8,1209.86 ccw(c-2334.67,1209.86) -2321.33,1223.21 cw(c-2334.67,1209.86) -2315.8,1209.86 ; -2270.53,1209.86 cw(c-2251.66,1209.86) -2265,1223.21 ccw(c-2251.66,1209.86) -2270.53,1209.86 ; -2270.53,1209.86 ccw(c-2289.39,1209.86) -2276.05,1223.21 cw(c-2289.39,1209.86) -2270.53,1209.86 ; -2225.45,1209.86 cw(c-2206.58,1209.86) -2219.92,1223.21 ccw(c-2206.58,1209.86) -2225.45,1209.86 ; -2225.45,1209.86 ccw(c-2244.32,1209.86) -2230.98,1223.21 cw(c-2244.32,1209.86) -2225.45,1209.86